# KiCad board 8b-alu-slice.kicad_pcb (continued)
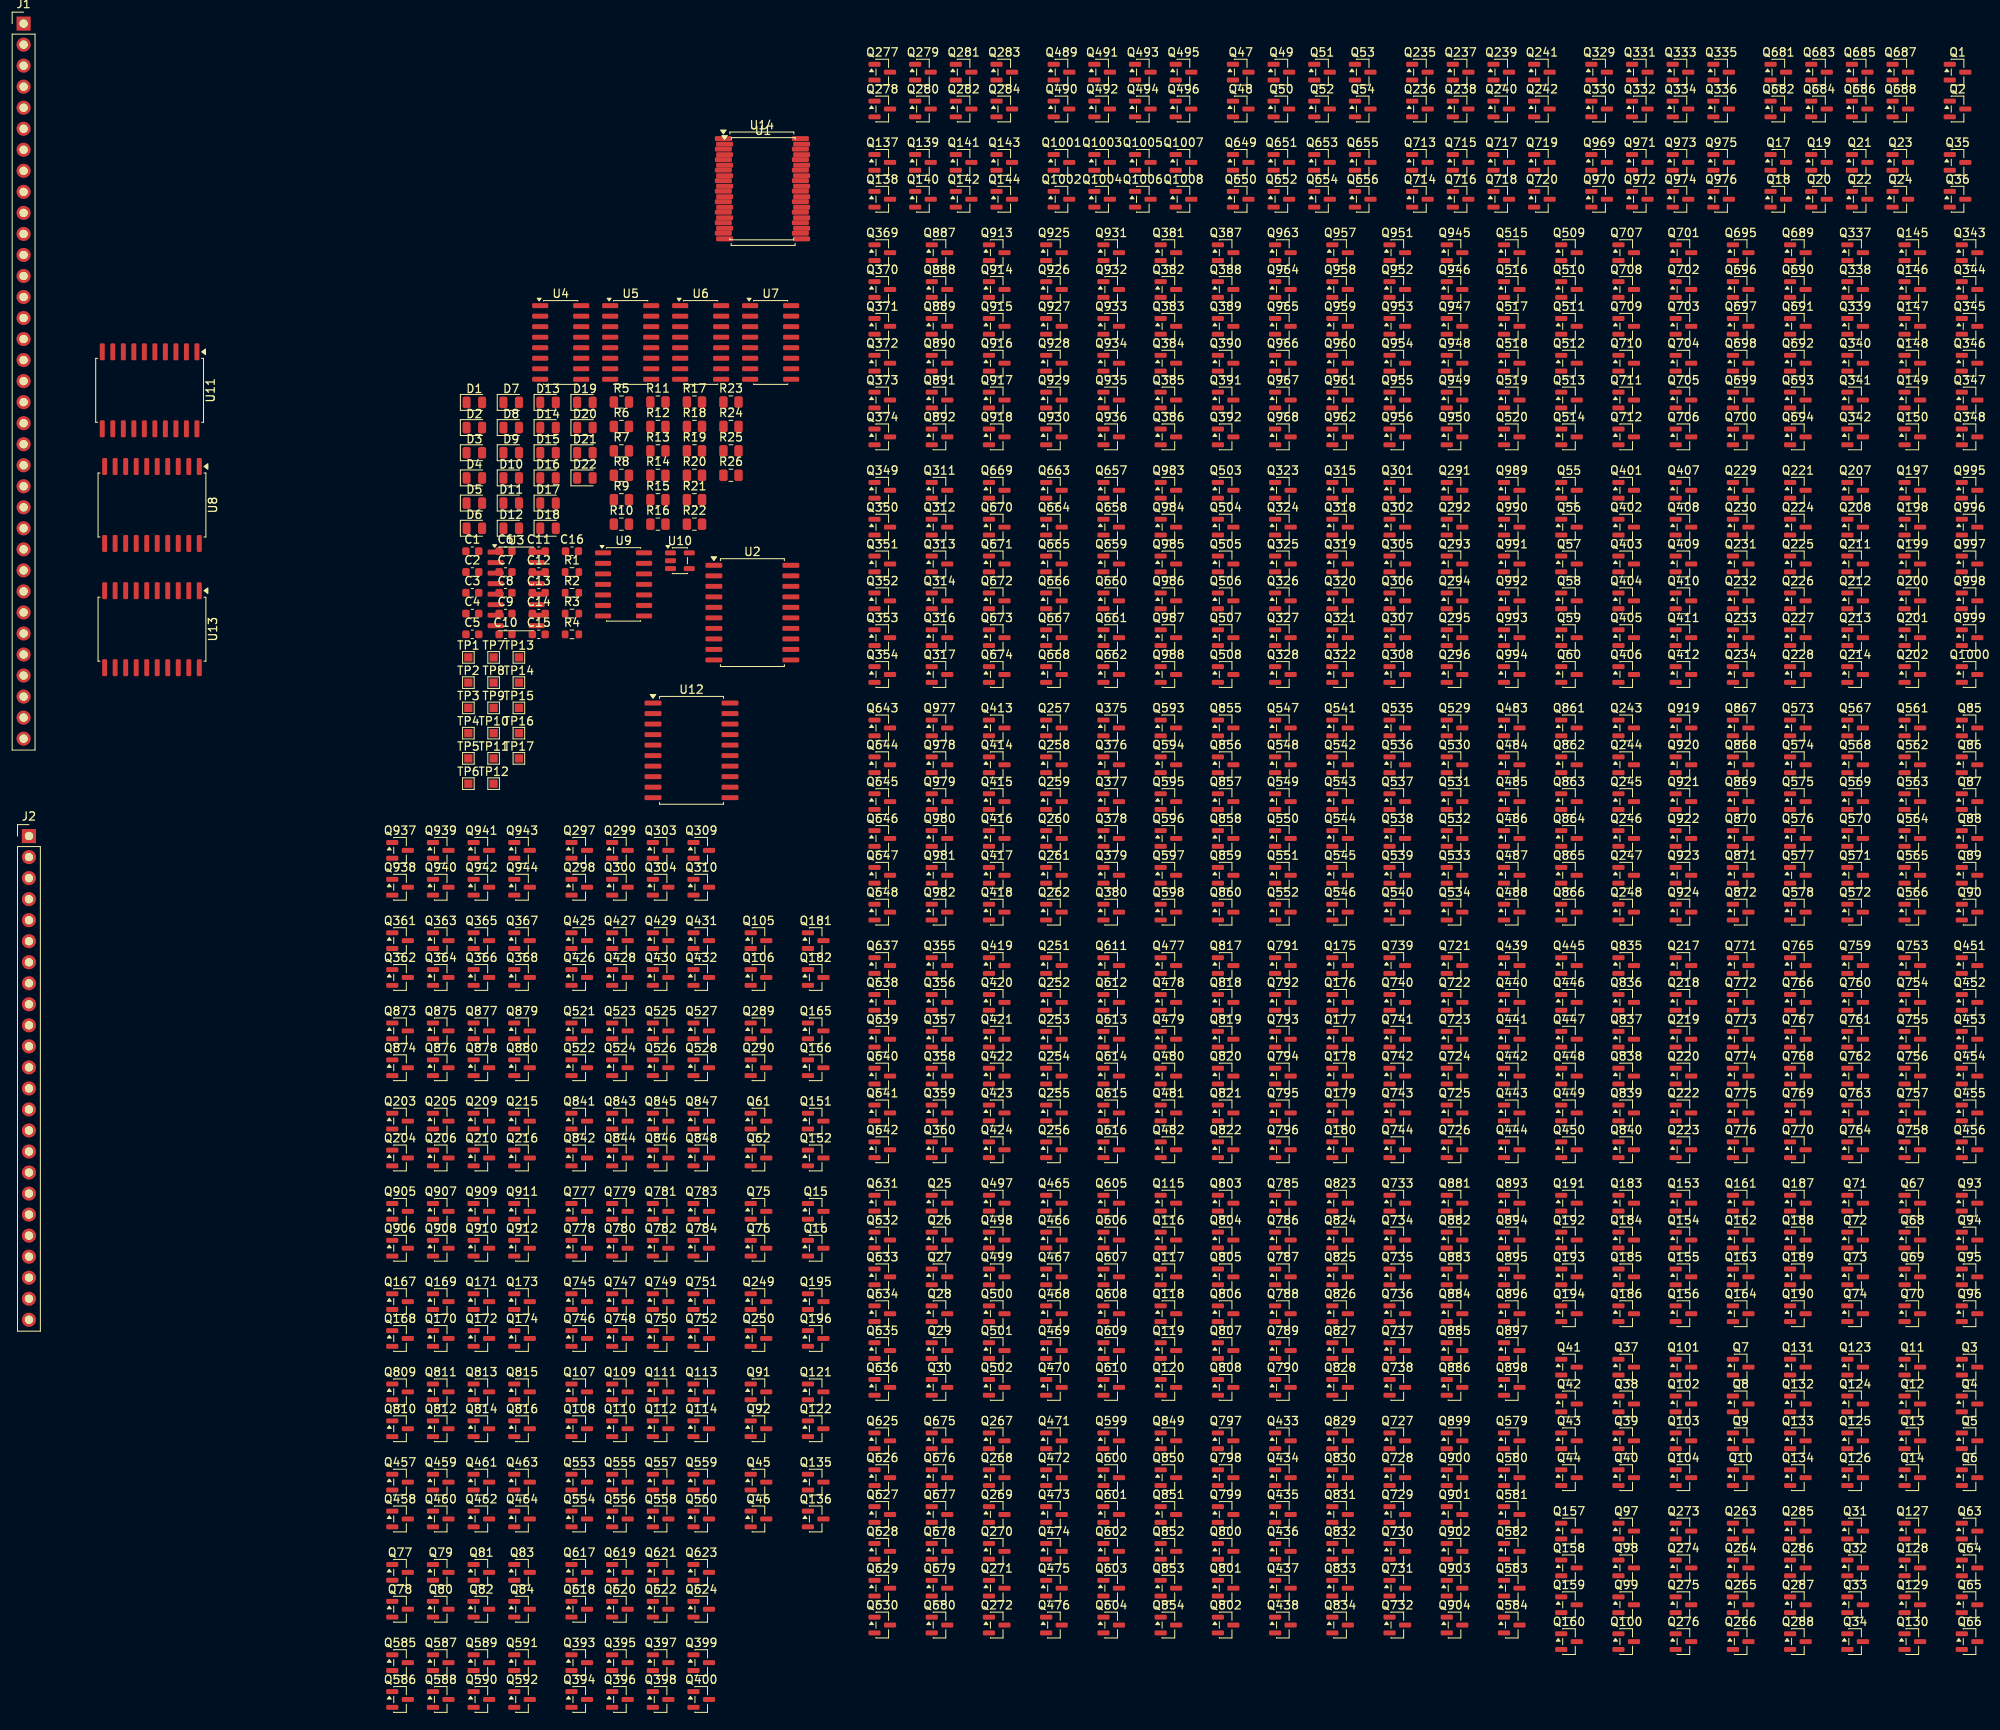
[diagram p0: board, top side]
## Library data of the parts (continued)
Q1 Q3 Q5 Q7 Q9 Q11 Q13 Q15 Q17 Q19 Q23 Q25 Q26 Q29 Q31 Q33 Q35 Q37 Q39 Q41 Q43 Q45 Q47 Q49 Q53 Q55 Q56 Q59 Q61 Q63 Q65 Q67 Q69 Q71 Q73 Q75 Q77 Q79 Q83 Q85 Q86 Q89 Q91 Q93 Q95 Q97 Q99 Q101 Q103 Q105 Q107 Q109 Q113 Q115 Q116 Q119 Q121 Q123 Q125 Q127 Q129 Q131 Q133 Q135 Q137 Q139 Q143 Q145 Q146 Q149 Q151 Q153 Q155 Q157 Q159 Q161 Q163 Q165 Q167 Q169 Q173 Q175 Q176 Q179 Q181 Q183 Q185 Q187 Q189 Q191 Q193 Q195 Q197 Q198 Q202 Q203 Q205 Q207 Q208 Q214 Q215 Q217 Q218 Q221 Q222 Q224 Q228-Q230 Q234-Q238 Q243 Q244 Q248 Q249 Q251 Q252 Q256-Q258 Q262 Q263 Q265 Q267 Q268 Q272 Q273 Q275 Q277-Q280 Q285 Q287 Q289 Q291 Q292 Q296 Q297 Q299 Q301 Q302 Q308 Q309 Q311 Q312 Q315 Q316 Q318 Q322-Q324 Q328-Q332 Q337 Q338 Q342-Q344 Q348-Q350 Q354-Q356 Q360-Q364 Q369 Q370 Q374-Q376 Q380-Q382 Q386-Q388 Q392-Q396 Q401 Q402 Q406-Q408 Q412-Q414 Q418-Q420 Q424-Q428 Q433 Q434 Q438-Q440 Q444-Q446 Q450-Q452 Q456-Q460 Q465 Q466 Q470-Q472 Q476-Q478 Q482-Q484 Q488-Q492 Q497 Q498 Q502-Q504 Q508-Q510 Q514-Q516 Q520-Q524 Q529 Q530 Q534-Q536 Q540-Q542 Q546-Q548 Q552-Q556 Q561 Q562 Q566-Q568 Q572-Q574 Q578-Q580 Q584-Q588 Q593 Q594 Q598-Q600 Q604-Q606 Q610-Q612 Q616-Q620 Q625 Q626 Q630-Q632 Q636-Q638 Q642-Q644 Q648-Q652 Q657 Q658 Q662-Q664 Q668-Q670 Q674-Q676 Q680-Q684 Q689 Q690 Q694-Q696 Q700-Q702 Q706-Q708 Q712-Q716 Q721 Q722 Q726-Q728 Q732-Q734 Q738-Q740 Q744-Q748 Q753 Q754 Q758-Q760 Q764-Q766 Q770-Q772 Q776-Q780 Q785 Q786 Q790-Q792 Q796-Q798 Q802-Q804 Q808-Q812 Q817 Q818 Q822-Q824 Q828-Q830 Q834-Q836 Q840-Q844 Q849 Q850 Q854-Q856 Q860-Q862 Q866-Q868 Q872-Q876 Q881 Q882 Q886-Q888 Q892-Q894 Q898-Q900 Q904-Q908 Q913 Q914 Q918-Q920 Q924-Q926 Q930-Q932 Q936-Q940 Q945 Q946 Q950-Q952 Q956-Q958 Q962-Q964 Q968-Q972 Q977 Q978 Q982-Q984 Q988-Q990 Q994-Q996 Q1000-Q1004 = -: Description: P-MOSFET transistor; KiLib_Generator: package/gullwing
Q2 Q4 Q6 Q8 Q10 Q12 Q14 Q16 Q18 Q20-Q22 Q24 Q27 Q28 Q30 Q32 Q34 Q36 Q38 Q40 Q42 Q44 Q46 Q48 Q50-Q52 Q54 Q57 Q58 Q60 Q62 Q64 Q66 Q68 Q70 Q72 Q74 Q76 Q78 Q80-Q82 Q84 Q87 Q88 Q90 Q92 Q94 Q96 Q98 Q100 Q102 Q104 Q106 Q108 Q110-Q112 Q114 Q117 Q118 Q120 Q122 Q124 Q126 Q128 Q130 Q132 Q134 Q136 Q138 Q140-Q142 Q144 Q147 Q148 Q150 Q152 Q154 Q156 Q158 Q160 Q162 Q164 Q166 Q168 Q170-Q172 Q174 Q177 Q178 Q180 Q182 Q184 Q186 Q188 Q190 Q192 Q194 Q196 Q199-Q201 Q204 Q206 Q209-Q213 Q216 Q219 Q220 Q223 Q225-Q227 Q231-Q233 Q239-Q242 Q245-Q247 Q250 Q253-Q255 Q259-Q261 Q264 Q266 Q269-Q271 Q274 Q276 Q281-Q284 Q286 Q288 Q290 Q293-Q295 Q298 Q300 Q303-Q307 Q310 Q313 Q314 Q317 Q319-Q321 Q325-Q327 Q333-Q336 Q339-Q341 Q345-Q347 Q351-Q353 Q357-Q359 Q365-Q368 Q371-Q373 Q377-Q379 Q383-Q385 Q389-Q391 Q397-Q400 Q403-Q405 Q409-Q411 Q415-Q417 Q421-Q423 Q429-Q432 Q435-Q437 Q441-Q443 Q447-Q449 Q453-Q455 Q461-Q464 Q467-Q469 Q473-Q475 Q479-Q481 Q485-Q487 Q493-Q496 Q499-Q501 Q505-Q507 Q511-Q513 Q517-Q519 Q525-Q528 Q531-Q533 Q537-Q539 Q543-Q545 Q549-Q551 Q557-Q560 Q563-Q565 Q569-Q571 Q575-Q577 Q581-Q583 Q589-Q592 Q595-Q597 Q601-Q603 Q607-Q609 Q613-Q615 Q621-Q624 Q627-Q629 Q633-Q635 Q639-Q641 Q645-Q647 Q653-Q656 Q659-Q661 Q665-Q667 Q671-Q673 Q677-Q679 Q685-Q688 Q691-Q693 Q697-Q699 Q703-Q705 Q709-Q711 Q717-Q720 Q723-Q725 Q729-Q731 Q735-Q737 Q741-Q743 Q749-Q752 Q755-Q757 Q761-Q763 Q767-Q769 Q773-Q775 Q781-Q784 Q787-Q789 Q793-Q795 Q799-Q801 Q805-Q807 Q813-Q816 Q819-Q821 Q825-Q827 Q831-Q833 Q837-Q839 Q845-Q848 Q851-Q853 Q857-Q859 Q863-Q865 Q869-Q871 Q877-Q880 Q883-Q885 Q889-Q891 Q895-Q897 Q901-Q903 Q909-Q912 Q915-Q917 Q921-Q923 Q927-Q929 Q933-Q935 Q941-Q944 Q947-Q949 Q953-Q955 Q959-Q961 Q965-Q967 Q973-Q976 Q979-Q981 Q985-Q987 Q991-Q993 Q997-Q999 Q1005-Q1008 = -: Description: N-MOSFET transistor; KiLib_Generator: package/gullwing
R1-R26 = -: Description: Resistor; KiLib_Generator: SMD_2terminal_chip_molded; ki_fp_filters: R_*
TP1-TP17 = -: Description: test point; ki_fp_filters: Pin* Test*
U1 U2 = -: Datasheet: http://www.ti.com/lit/gpn/sn74LS540; Description: 8-bit Buffer/Line driver Inverter, 3-state outputs; KiLib_Generator: package/gullwing; ki_fp_filters: DIP?20*
U3-U5 = -: Datasheet: http://www.ti.com/lit/gpn/sn74LS182; Description: Carry generator; KiLib_Generator: package/gullwing; ki_fp_filters: DIP?16*
U6 U7 = -: Datasheet: http://www.ti.com/lit/gpn/sn74LS157; Description: Quad 2 to 1 line Multiplexer; KiLib_Generator: package/gullwing; ki_fp_filters: DIP?16*
U8 U11-U14 = -: Datasheet: http://www.ti.com/lit/ds/symlink/sn74ls244.pdf; Description: Octal Buffer and Line Driver With 3-State Output, active-low enables, non-inverting outputs; KiLib_Generator: package/gullwing; ki_fp_filters: DIP?20*
U9 = -: Datasheet: https://www.ti.com/lit/ds/symlink/cd4078b.pdf; Description: 8-input OR/NOR gate; KiLib_Generator: package/gullwing; ki_fp_filters: *DIP*W7.62mm* TSSOP*4.4x5mm* SOIC*3.9x8.7mm*
U10 = -: Datasheet: http://www.ti.com/lit/sg/scyt129e/scyt129e.pdf; Description: Single XOR Gate, Low-Voltage CMOS; KiLib_Generator: package/gullwing; ki_fp_filters: SOT* SG-*

## Footprints (pads in the part's own frame, mm; a bottom-side part is the same pattern mirrored in y, then rotated)
C_0603_1608Metric
  rrect 0.9x0.95 smd: 1(-0.775,0) 2(0.775,0)
LED_0805_2012Metric
  rrect 0.975x1.4 smd: 1(-0.938,0) 2(0.938,0)
PinHeader_1x24_P2.54mm_Vertical
  rect 1.7x1.7 hole 1: 1(0,0)
  round 1.7 hole 1: 2(0,-2.54) 3(0,-5.08) 4(0,-7.62) 5(0,-10.16) 6(0,-12.7) 7(0,-15.24) 8(0,-17.78) 9(0,-20.32) 10(0,-22.86) 11(0,-25.4) 12(0,-27.94) 13(0,-30.48) 14(0,-33.02) 15(0,-35.56) 16(0,-38.1) 17(0,-40.64) 18(0,-43.18) 19(0,-45.72) 20(0,-48.26) 21(0,-50.8) 22(0,-53.34) 23(0,-55.88) 24(0,-58.42)
PinHeader_1x35_P2.54mm_Vertical
  rect 1.7x1.7 hole 1: 1(0,0)
  round 1.7 hole 1: 2(0,-2.54) 3(0,-5.08) 4(0,-7.62) 5(0,-10.16) 6(0,-12.7) 7(0,-15.24) 8(0,-17.78) 9(0,-20.32) 10(0,-22.86) 11(0,-25.4) 12(0,-27.94) 13(0,-30.48) 14(0,-33.02) 15(0,-35.56) 16(0,-38.1) 17(0,-40.64) 18(0,-43.18) 19(0,-45.72) 20(0,-48.26) 21(0,-50.8) 22(0,-53.34) 23(0,-55.88) 24(0,-58.42) 25(0,-60.96) 26(0,-63.5) 27(0,-66.04) 28(0,-68.58) 29(0,-71.12) 30(0,-73.66) 31(0,-76.2) 32(0,-78.74) 33(0,-81.28) 34(0,-83.82) 35(0,-86.36)
R_0603_1608Metric
  rrect 0.8x0.95 smd: 1(-0.825,0) 2(0.825,0)
R_0805_2012Metric
  rrect 1.025x1.4 smd: 1(-0.912,0) 2(0.912,0)
SOIC-14_3.9x8.7mm_P1.27mm
  rrect 1.95x0.6 smd: 1(-2.475,3.81) 2(-2.475,2.54) 3(-2.475,1.27) 4(-2.475,0) 5(-2.475,-1.27) 6(-2.475,-2.54) 7(-2.475,-3.81) 8(2.475,-3.81) 9(2.475,-2.54) 10(2.475,-1.27) 11(2.475,0) 12(2.475,1.27) 13(2.475,2.54) 14(2.475,3.81)
SOIC-16_3.9x9.9mm_P1.27mm
  rrect 1.95x0.6 smd: 1(-2.475,4.445) 2(-2.475,3.175) 3(-2.475,1.905) 4(-2.475,0.635) 5(-2.475,-0.635) 6(-2.475,-1.905) 7(-2.475,-3.175) 8(-2.475,-4.445) 9(2.475,-4.445) 10(2.475,-3.175) 11(2.475,-1.905) 12(2.475,-0.635) 13(2.475,0.635) 14(2.475,1.905) 15(2.475,3.175) 16(2.475,4.445)
SOIC-20W_7.5x12.8mm_P1.27mm
  rrect 2.05x0.6 smd: 1(-4.65,5.715) 2(-4.65,4.445) 3(-4.65,3.175) 4(-4.65,1.905) 5(-4.65,0.635) 6(-4.65,-0.635) 7(-4.65,-1.905) 8(-4.65,-3.175) 9(-4.65,-4.445) 10(-4.65,-5.715) 11(4.65,-5.715) 12(4.65,-4.445) 13(4.65,-3.175) 14(4.65,-1.905) 15(4.65,-0.635) 16(4.65,0.635) 17(4.65,1.905) 18(4.65,3.175) 19(4.65,4.445) 20(4.65,5.715)
SOT-23
  rrect 1.475x0.6 smd: 1(-0.938,0.95) 2(-0.938,-0.95) 3(0.938,0)
SOT-23-5
  rrect 1.325x0.6 smd: 1(-1.137,0.95) 2(-1.137,0) 3(-1.137,-0.95) 4(1.137,-0.95) 5(1.137,0.95)
TestPoint_Pad_1.0x1.0mm
  rect 1x1 smd: 1(0,0)

## Nets
GND: C1.2 C2.2 C3.2 C4.2 C5.2 C6.1 C7.1 C8.2 C9.2 C10.1 C11.1 C12.2 C13.1 C14.1 C15.1 C16.1 D1.1 D2.1 D3.1 D4.1 D5.1 D6.1 D7.1 D8.1 D9.1 D10.1 D11.1 D12.1 D13.1 D14.1 D15.1 D16.1 D17.1 D18.1 D19.1 D20.1 D21.1 D22.1 J1.1 J1.3 J1.8 J1.13 J1.18 J1.23 J1.29 J1.35 J2.1 J2.3 J2.8 J2.13 J2.19 J2.20 J2.21 J2.22 J2.23 J2.24 Q2.2 Q4.2 Q6.2 Q8.2 Q10.2 Q12.2 Q14.2 Q16.2 Q18.2 Q20.2 Q24.2 Q28.2 Q30.2 Q32.2 Q34.2 Q36.2 Q38.2 Q40.2 Q42.2 Q44.2 Q46.2 Q48.2 Q50.2 Q54.2 Q58.2 Q60.2 Q62.2 Q64.2 Q66.2 Q68.2 Q70.2 Q72.2 Q74.2 Q76.2 Q78.2 Q80.2 Q84.2 Q88.2 Q90.2 Q92.2 Q94.2 Q96.2 Q98.2 Q100.2 Q102.2 Q104.2 Q106.2 Q108.2 Q110.2 Q114.2 Q118.2 Q120.2 Q122.2 Q124.2 Q126.2 Q128.2 Q130.2 Q132.2 Q134.2 Q136.2 Q138.2 Q140.2 Q144.2 Q148.2 Q150.2 Q152.2 Q154.2 Q156.2 Q158.2 Q160.2 Q162.2 Q164.2 Q166.2 Q168.2 Q170.2 Q174.2 Q178.2 Q180.2 Q182.2 Q184.2 Q186.2 Q188.2 Q190.2 Q192.2 Q194.2 Q196.2 Q201.2 Q204.2 Q206.2 Q213.2 Q216.2 Q220.2 Q221.1 Q223.2 Q227.1 Q227.2 Q233.2 Q242.2 Q247.2 Q250.2 Q255.2 Q261.2 Q264.2 Q266.2 Q271.2 Q274.2 Q276.2 Q284.2 Q286.2 Q288.2 Q290.2 Q295.2 Q298.2 Q300.2 Q307.2 Q310.2 Q314.2 Q315.1 Q317.2 Q321.1 Q321.2 Q327.2 Q336.2 Q341.2 Q347.2 Q349.1 Q353.1 Q353.2 Q359.2 Q368.2 Q373.2 Q379.2 Q385.2 Q391.2 Q400.2 Q405.2 Q411.2 Q413.1 Q417.1 Q417.2 Q423.2 Q432.2 Q437.2 Q443.2 Q445.1 Q449.1 Q449.2 Q455.2 Q464.2 Q469.2 Q475.2 Q481.2 Q487.2 Q496.2 Q501.2 Q507.2 Q509.1 Q513.1 Q513.2 Q519.2 Q528.2 Q533.2 Q539.2 Q541.1 Q545.1 Q545.2 Q551.2 Q560.2 Q565.2 Q571.2 Q577.2 Q583.2 Q592.2 Q597.2 Q603.2 Q605.1 Q609.1 Q609.2 Q615.2 Q624.2 Q629.2 Q635.2 Q637.1 Q641.1 Q641.2 Q647.2 Q656.2 Q661.2 Q667.2 Q673.2 Q679.2 Q688.2 Q693.2 Q699.2 Q701.1 Q705.1 Q705.2 Q711.2 Q720.2 Q725.2 Q731.2 Q733.1 Q737.1 Q737.2 Q743.2 Q752.2 Q757.2 Q763.2 Q769.2 Q775.2 Q784.2 Q789.2 Q795.2 Q797.1 Q801.1 Q801.2 Q807.2 Q816.2 Q821.2 Q827.2 Q829.1 Q833.1 Q833.2 Q839.2 Q848.2 Q853.2 Q859.2 Q865.2 Q871.2 Q880.2 Q885.2 Q891.2 Q893.1 Q897.1 Q897.2 Q903.2 Q912.2 Q917.2 Q923.2 Q925.1 Q929.1 Q929.2 Q935.2 Q944.2 Q949.2 Q955.2 Q961.2 Q967.2 Q976.2 Q981.2 Q987.2 Q989.1 Q993.1 Q993.2 Q999.2 Q1008.2 U1.1 U1.10 U1.19 U2.1 U2.10 U2.19 U3.8 U4.8 U5.8 U6.8 U6.15 U7.8 U7.15 U8.1 U8.10 U8.19 U9.7 U10.3 U11.1 U11.10 U11.19 U12.1 U12.10 U12.19 U13.1 U13.10 U13.19 U14.1 U14.10 U14.19
VCC: C1.1 C2.1 C3.1 C4.1 C5.1 C6.2 C7.2 C8.1 C9.1 C10.2 C11.2 C12.1 C13.2 C14.2 C15.2 C16.2 J1.2 J2.2 Q1.2 Q3.2 Q5.2 Q7.2 Q9.2 Q11.2 Q13.2 Q15.2 Q17.2 Q19.2 Q23.2 Q25.2 Q26.2 Q29.2 Q31.2 Q33.2 Q35.2 Q37.2 Q39.2 Q41.2 Q43.2 Q45.2 Q47.2 Q49.2 Q53.2 Q55.2 Q56.2 Q59.2 Q61.2 Q63.2 Q65.2 Q67.2 Q69.2 Q71.2 Q73.2 Q75.2 Q77.2 Q79.2 Q83.2 Q85.2 Q86.2 Q89.2 Q91.2 Q93.2 Q95.2 Q97.2 Q99.2 Q101.2 Q103.2 Q105.2 Q107.2 Q109.2 Q113.2 Q115.2 Q116.2 Q119.2 Q121.2 Q123.2 Q125.2 Q127.2 Q129.2 Q131.2 Q133.2 Q135.2 Q137.2 Q139.2 Q143.2 Q145.2 Q146.2 Q149.2 Q151.2 Q153.2 Q155.2 Q157.2 Q159.2 Q161.2 Q163.2 Q165.2 Q167.2 Q169.2 Q173.2 Q175.2 Q176.2 Q179.2 Q181.2 Q183.2 Q185.2 Q187.2 Q189.2 Q191.2 Q193.2 Q195.2 Q197.1 Q197.2 Q198.2 Q201.1 Q202.2 Q203.2 Q205.2 Q207.2 Q208.2 Q214.2 Q215.2 Q217.2 Q218.2 Q221.2 Q222.2 Q224.2 Q228.2 Q229.2 Q230.2 Q234.2 Q235.2 Q236.2 Q237.2 Q238.2 Q243.2 Q244.2 Q248.2 Q249.2 Q251.2 Q252.2 Q256.2 Q257.2 Q258.2 Q262.2 Q263.2 Q265.2 Q267.2 Q268.2 Q272.2 Q273.2 Q275.2 Q277.2 Q278.2 Q279.2 Q280.2 Q285.2 Q287.2 Q289.2 Q291.1 Q291.2 Q292.2 Q295.1 Q296.2 Q297.2 Q299.2 Q301.2 Q302.2 Q308.2 Q309.2 Q311.2 Q312.2 Q315.2 Q316.2 Q318.2 Q322.2 Q323.2 Q324.2 Q328.2 Q329.2 Q330.2 Q331.2 Q332.2 Q337.1 Q337.2 Q338.2 Q341.1 Q342.2 Q343.2 Q344.2 Q348.2 Q349.2 Q350.2 Q354.2 Q355.2 Q356.2 Q360.2 Q361.2 Q362.2 Q363.2 Q364.2 Q369.2 Q370.2 Q374.2 Q375.2 Q376.2 Q380.2 Q381.2 Q382.2 Q386.2 Q387.2 Q388.2 Q392.2 Q393.2 Q394.2 Q395.2 Q396.2 Q401.1 Q401.2 Q402.2 Q405.1 Q406.2 Q407.2 Q408.2 Q412.2 Q413.2 Q414.2 Q418.2 Q419.2 Q420.2 Q424.2 Q425.2 Q426.2 Q427.2 Q428.2 Q433.1 Q433.2 Q434.2 Q437.1 Q438.2 Q439.2 Q440.2 Q444.2 Q445.2 Q446.2 Q450.2 Q451.2 Q452.2 Q456.2 Q457.2 Q458.2 Q459.2 Q460.2 Q465.2 Q466.2 Q470.2 Q471.2 Q472.2 Q476.2 Q477.2 Q478.2 Q482.2 Q483.2 Q484.2 Q488.2 Q489.2 Q490.2 Q491.2 Q492.2 Q497.1 Q497.2 Q498.2 Q501.1 Q502.2 Q503.2 Q504.2 Q508.2 Q509.2 Q510.2 Q514.2 Q515.2 Q516.2 Q520.2 Q521.2 Q522.2 Q523.2 Q524.2 Q529.1 Q529.2 Q530.2 Q533.1 Q534.2 Q535.2 Q536.2 Q540.2 Q541.2 Q542.2 Q546.2 Q547.2 Q548.2 Q552.2 Q553.2 Q554.2 Q555.2 Q556.2 Q561.2 Q562.2 Q566.2 Q567.2 Q568.2 Q572.2 Q573.2 Q574.2 Q578.2 Q579.2 Q580.2 Q584.2 Q585.2 Q586.2 Q587.2 Q588.2 Q593.1 Q593.2 Q594.2 Q597.1 Q598.2 Q599.2 Q600.2 Q604.2 Q605.2 Q606.2 Q610.2 Q611.2 Q612.2 Q616.2 Q617.2 Q618.2 Q619.2 Q620.2 Q625.1 Q625.2 Q626.2 Q629.1 Q630.2 Q631.2 Q632.2 Q636.2 Q637.2 Q638.2 Q642.2 Q643.2 Q644.2 Q648.2 Q649.2 Q650.2 Q651.2 Q652.2 Q657.2 Q658.2 Q662.2 Q663.2 Q664.2 Q668.2 Q669.2 Q670.2 Q674.2 Q675.2 Q676.2 Q680.2 Q681.2 Q682.2 Q683.2 Q684.2 Q689.1 Q689.2 Q690.2 Q693.1 Q694.2 Q695.2 Q696.2 Q700.2 Q701.2 Q702.2 Q706.2 Q707.2 Q708.2 Q712.2 Q713.2 Q714.2 Q715.2 Q716.2 Q721.1 Q721.2 Q722.2 Q725.1 Q726.2 Q727.2 Q728.2 Q732.2 Q733.2 Q734.2 Q738.2 Q739.2 Q740.2 Q744.2 Q745.2 Q746.2 Q747.2 Q748.2 Q753.2 Q754.2 Q758.2 Q759.2 Q760.2 Q764.2 Q765.2 Q766.2 Q770.2 Q771.2 Q772.2 Q776.2 Q777.2 Q778.2 Q779.2 Q780.2 Q785.1 Q785.2 Q786.2 Q789.1 Q790.2 Q791.2 Q792.2 Q796.2 Q797.2 Q798.2 Q802.2 Q803.2 Q804.2 Q808.2 Q809.2 Q810.2 Q811.2 Q812.2 Q817.1 Q817.2 Q818.2 Q821.1 Q822.2 Q823.2 Q824.2 Q828.2 Q829.2 Q830.2 Q834.2 Q835.2 Q836.2 Q840.2 Q841.2 Q842.2 Q843.2 Q844.2 Q849.2 Q850.2 Q854.2 Q855.2 Q856.2 Q860.2 Q861.2 Q862.2 Q866.2 Q867.2 Q868.2 Q872.2 Q873.2 Q874.2 Q875.2 Q876.2 Q881.1 Q881.2 Q882.2 Q885.1 Q886.2 Q887.2 Q888.2 Q892.2 Q893.2 Q894.2 Q898.2 Q899.2 Q900.2 Q904.2 Q905.2 Q906.2 Q907.2 Q908.2 Q913.1 Q913.2 Q914.2 Q917.1 Q918.2 Q919.2 Q920.2 Q924.2 Q925.2 Q926.2 Q930.2 Q931.2 Q932.2 Q936.2 Q937.2 Q938.2 Q939.2 Q940.2 Q945.2 Q946.2 Q950.2 Q951.2 Q952.2 Q956.2 Q957.2 Q958.2 Q962.2 Q963.2 Q964.2 Q968.2 Q969.2 Q970.2 Q971.2 Q972.2 Q977.1 Q977.2 Q978.2 Q981.1 Q982.2 Q983.2 Q984.2 Q988.2 Q989.2 Q990.2 Q994.2 Q995.2 Q996.2 Q1000.2 Q1001.2 Q1002.2 Q1003.2 Q1004.2 R1.2 R2.2 R3.2 R4.2 U1.20 U2.20 U3.16 U4.16 U5.16 U6.16 U7.16 U8.20 U9.14 U10.5 U11.20 U12.20 U13.20 U14.20
/1b_alu_slice_1/inv1/Y: Q35.3 Q36.3 Q207.1 Q213.1
/1b_alu_slice_1/inv2/Y: Q45.3 Q46.3 Q301.1 Q307.1
/1b_alu_slice_1/mux_4to1_1/3nand1/Y: Q267.3 Q268.3 Q269.3 Q272.3 Q277.1 Q284.1
/1b_alu_slice_1/mux_4to1_1/3nand2/Y: Q251.3 Q252.3 Q253.3 Q256.3 Q278.1 Q283.1
/1b_alu_slice_1/mux_4to1_1/3nand3/Y: Q243.3 Q244.3 Q245.3 Q248.3 Q279.1 Q282.1
/1b_alu_slice_1/mux_4to1_1/3nand4/Y: Q257.3 Q258.3 Q259.3 Q262.3 Q280.1 Q281.1
/1b_alu_slice_1/mux_4to1_1/C0: Q37.1 Q38.1 Q56.1 Q57.1 Q235.3 Q236.3 Q237.3 Q238.3 Q239.3 Q245.1 Q248.1 Q259.1 Q262.1
/1b_alu_slice_1/mux_4to1_1/C0_B: Q37.3 Q38.3 Q253.1 Q256.1 Q269.1 Q272.1
/1b_alu_slice_1/mux_4to1_1/C1: Q39.1 Q40.1 Q55.1 Q58.1 Q252.1 Q254.1 Q258.1 Q260.1 Q329.3 Q330.3 Q331.3 Q332.3 Q333.3
/1b_alu_slice_1/mux_4to1_1/C1_B: Q39.3 Q40.3 Q244.1 Q246.1 Q268.1 Q270.1
/1b_alu_slice_1/mux_4to1_2/3nand1/Y: Q229.3 Q230.3 Q231.3 Q234.3 Q235.1 Q242.1
/1b_alu_slice_1/mux_4to1_2/3nand2/Y: Q207.3 Q208.3 Q211.3 Q214.3 Q236.1 Q241.1
/1b_alu_slice_1/mux_4to1_2/3nand3/Y: Q197.3 Q198.3 Q199.3 Q202.3 Q237.1 Q240.1
/1b_alu_slice_1/mux_4to1_2/3nand4/Y: Q221.3 Q224.3 Q225.3 Q228.3 Q238.1 Q239.1
/1b_alu_slice_1/mux_4to1_2/C0_B: Q31.3 Q32.3 Q211.1 Q214.1 Q231.1 Q234.1
/1b_alu_slice_1/mux_4to1_2/C1_B: Q33.3 Q34.3 Q198.1 Q200.1 Q230.1 Q232.1
/1b_alu_slice_1/mux_4to1_3/3nand1/Y: Q323.3 Q324.3 Q325.3 Q328.3 Q329.1 Q336.1
/1b_alu_slice_1/mux_4to1_3/3nand2/Y: Q301.3 Q302.3 Q305.3 Q308.3 Q330.1 Q335.1
/1b_alu_slice_1/mux_4to1_3/3nand3/Y: Q291.3 Q292.3 Q293.3 Q296.3 Q331.1 Q334.1
/1b_alu_slice_1/mux_4to1_3/3nand4/Y: Q315.3 Q318.3 Q319.3 Q322.3 Q332.1 Q333.1
/1b_alu_slice_1/mux_4to1_3/C0_B: Q41.3 Q42.3 Q305.1 Q308.1 Q325.1 Q328.1
/1b_alu_slice_1/mux_4to1_3/C1_B: Q43.3 Q44.3 Q292.1 Q294.1 Q324.1 Q326.1
/1b_alu_slice_2/inv1/Y: Q1.3 Q2.3 Q343.1 Q347.1
/1b_alu_slice_2/inv2/Y: Q15.3 Q16.3 Q407.1 Q411.1
/1b_alu_slice_2/mux_4to1_1/3nand1/Y: Q387.3 Q388.3 Q389.3 Q392.3 Q393.1 Q400.1
/1b_alu_slice_2/mux_4to1_1/3nand2/Y: Q375.3 Q376.3 Q377.3 Q380.3 Q394.1 Q399.1
/1b_alu_slice_2/mux_4to1_1/3nand3/Y: Q369.3 Q370.3 Q371.3 Q374.3 Q395.1 Q398.1
/1b_alu_slice_2/mux_4to1_1/3nand4/Y: Q381.3 Q382.3 Q383.3 Q386.3 Q396.1 Q397.1
/1b_alu_slice_2/mux_4to1_1/C0: Q7.1 Q8.1 Q26.1 Q27.1 Q361.3 Q362.3 Q363.3 Q364.3 Q365.3 Q371.1 Q374.1 Q383.1 Q386.1
/1b_alu_slice_2/mux_4to1_1/C0_B: Q7.3 Q8.3 Q377.1 Q380.1 Q389.1 Q392.1
/1b_alu_slice_2/mux_4to1_1/C1: Q9.1 Q10.1 Q25.1 Q28.1 Q376.1 Q378.1 Q382.1 Q384.1 Q425.3 Q426.3 Q427.3 Q428.3 Q429.3
/1b_alu_slice_2/mux_4to1_1/C1_B: Q9.3 Q10.3 Q370.1 Q372.1 Q388.1 Q390.1
/1b_alu_slice_2/mux_4to1_2/3nand1/Y: Q355.3 Q356.3 Q357.3 Q360.3 Q361.1 Q368.1
/1b_alu_slice_2/mux_4to1_2/3nand2/Y: Q343.3 Q344.3 Q345.3 Q348.3 Q362.1 Q367.1
/1b_alu_slice_2/mux_4to1_2/3nand3/Y: Q337.3 Q338.3 Q339.3 Q342.3 Q363.1 Q366.1
/1b_alu_slice_2/mux_4to1_2/3nand4/Y: Q349.3 Q350.3 Q351.3 Q354.3 Q364.1 Q365.1
/1b_alu_slice_2/mux_4to1_2/C0_B: Q3.3 Q4.3 Q345.1 Q348.1 Q357.1 Q360.1
/1b_alu_slice_2/mux_4to1_2/C1_B: Q5.3 Q6.3 Q338.1 Q340.1 Q356.1 Q358.1
/1b_alu_slice_2/mux_4to1_3/3nand1/Y: Q419.3 Q420.3 Q421.3 Q424.3 Q425.1 Q432.1
/1b_alu_slice_2/mux_4to1_3/3nand2/Y: Q407.3 Q408.3 Q409.3 Q412.3 Q426.1 Q431.1
/1b_alu_slice_2/mux_4to1_3/3nand3/Y: Q401.3 Q402.3 Q403.3 Q406.3 Q427.1 Q430.1
/1b_alu_slice_2/mux_4to1_3/3nand4/Y: Q413.3 Q414.3 Q415.3 Q418.3 Q428.1 Q429.1
/1b_alu_slice_2/mux_4to1_3/C0_B: Q11.3 Q12.3 Q409.1 Q412.1 Q421.1 Q424.1
/1b_alu_slice_2/mux_4to1_3/C1_B: Q13.3 Q14.3 Q402.1 Q404.1 Q420.1 Q422.1
/1b_alu_slice_3/inv1/Y: Q61.3 Q62.3 Q439.1 Q443.1
/1b_alu_slice_3/inv2/Y: Q75.3 Q76.3 Q503.1 Q507.1
/1b_alu_slice_3/mux_4to1_1/3nand1/Y: Q483.3 Q484.3 Q485.3 Q488.3 Q489.1 Q496.1
/1b_alu_slice_3/mux_4to1_1/3nand2/Y: Q471.3 Q472.3 Q473.3 Q476.3 Q490.1 Q495.1
/1b_alu_slice_3/mux_4to1_1/3nand3/Y: Q465.3 Q466.3 Q467.3 Q470.3 Q491.1 Q494.1
/1b_alu_slice_3/mux_4to1_1/3nand4/Y: Q477.3 Q478.3 Q479.3 Q482.3 Q492.1 Q493.1
/1b_alu_slice_3/mux_4to1_1/C0: Q67.1 Q68.1 Q86.1 Q87.1 Q457.3 Q458.3 Q459.3 Q460.3 Q461.3 Q467.1 Q470.1 Q479.1 Q482.1
/1b_alu_slice_3/mux_4to1_1/C0_B: Q67.3 Q68.3 Q473.1 Q476.1 Q485.1 Q488.1
/1b_alu_slice_3/mux_4to1_1/C1: Q69.1 Q70.1 Q85.1 Q88.1 Q472.1 Q474.1 Q478.1 Q480.1 Q521.3 Q522.3 Q523.3 Q524.3 Q525.3
/1b_alu_slice_3/mux_4to1_1/C1_B: Q69.3 Q70.3 Q466.1 Q468.1 Q484.1 Q486.1
/1b_alu_slice_3/mux_4to1_2/3nand1/Y: Q451.3 Q452.3 Q453.3 Q456.3 Q457.1 Q464.1
/1b_alu_slice_3/mux_4to1_2/3nand2/Y: Q439.3 Q440.3 Q441.3 Q444.3 Q458.1 Q463.1
/1b_alu_slice_3/mux_4to1_2/3nand3/Y: Q433.3 Q434.3 Q435.3 Q438.3 Q459.1 Q462.1
/1b_alu_slice_3/mux_4to1_2/3nand4/Y: Q445.3 Q446.3 Q447.3 Q450.3 Q460.1 Q461.1
/1b_alu_slice_3/mux_4to1_2/C0_B: Q63.3 Q64.3 Q441.1 Q444.1 Q453.1 Q456.1
/1b_alu_slice_3/mux_4to1_2/C1_B: Q65.3 Q66.3 Q434.1 Q436.1 Q452.1 Q454.1
/1b_alu_slice_3/mux_4to1_3/3nand1/Y: Q515.3 Q516.3 Q517.3 Q520.3 Q521.1 Q528.1
/1b_alu_slice_3/mux_4to1_3/3nand2/Y: Q503.3 Q504.3 Q505.3 Q508.3 Q522.1 Q527.1
/1b_alu_slice_3/mux_4to1_3/3nand3/Y: Q497.3 Q498.3 Q499.3 Q502.3 Q523.1 Q526.1
/1b_alu_slice_3/mux_4to1_3/3nand4/Y: Q509.3 Q510.3 Q511.3 Q514.3 Q524.1 Q525.1
/1b_alu_slice_3/mux_4to1_3/C0_B: Q71.3 Q72.3 Q505.1 Q508.1 Q517.1 Q520.1
/1b_alu_slice_3/mux_4to1_3/C1_B: Q73.3 Q74.3 Q498.1 Q500.1 Q516.1 Q518.1
/1b_alu_slice_4/inv1/Y: Q91.3 Q92.3 Q535.1 Q539.1
/1b_alu_slice_4/inv2/Y: Q105.3 Q106.3 Q599.1 Q603.1
/1b_alu_slice_4/mux_4to1_1/3nand1/Y: Q579.3 Q580.3 Q581.3 Q584.3 Q585.1 Q592.1
/1b_alu_slice_4/mux_4to1_1/3nand2/Y: Q567.3 Q568.3 Q569.3 Q572.3 Q586.1 Q591.1
/1b_alu_slice_4/mux_4to1_1/3nand3/Y: Q561.3 Q562.3 Q563.3 Q566.3 Q587.1 Q590.1
/1b_alu_slice_4/mux_4to1_1/3nand4/Y: Q573.3 Q574.3 Q575.3 Q578.3 Q588.1 Q589.1
/1b_alu_slice_4/mux_4to1_1/C0: Q97.1 Q98.1 Q116.1 Q117.1 Q553.3 Q554.3 Q555.3 Q556.3 Q557.3 Q563.1 Q566.1 Q575.1 Q578.1
/1b_alu_slice_4/mux_4to1_1/C0_B: Q97.3 Q98.3 Q569.1 Q572.1 Q581.1 Q584.1
/1b_alu_slice_4/mux_4to1_1/C1: Q99.1 Q100.1 Q115.1 Q118.1 Q568.1 Q570.1 Q574.1 Q576.1 Q617.3 Q618.3 Q619.3 Q620.3 Q621.3
/1b_alu_slice_4/mux_4to1_1/C1_B: Q99.3 Q100.3 Q562.1 Q564.1 Q580.1 Q582.1
/1b_alu_slice_4/mux_4to1_2/3nand1/Y: Q547.3 Q548.3 Q549.3 Q552.3 Q553.1 Q560.1
/1b_alu_slice_4/mux_4to1_2/3nand2/Y: Q535.3 Q536.3 Q537.3 Q540.3 Q554.1 Q559.1
/1b_alu_slice_4/mux_4to1_2/3nand3/Y: Q529.3 Q530.3 Q531.3 Q534.3 Q555.1 Q558.1
/1b_alu_slice_4/mux_4to1_2/3nand4/Y: Q541.3 Q542.3 Q543.3 Q546.3 Q556.1 Q557.1
/1b_alu_slice_4/mux_4to1_2/C0_B: Q93.3 Q94.3 Q537.1 Q540.1 Q549.1 Q552.1
/1b_alu_slice_4/mux_4to1_2/C1_B: Q95.3 Q96.3 Q530.1 Q532.1 Q548.1 Q550.1
/1b_alu_slice_4/mux_4to1_3/3nand1/Y: Q611.3 Q612.3 Q613.3 Q616.3 Q617.1 Q624.1
/1b_alu_slice_4/mux_4to1_3/3nand2/Y: Q599.3 Q600.3 Q601.3 Q604.3 Q618.1 Q623.1
/1b_alu_slice_4/mux_4to1_3/3nand3/Y: Q593.3 Q594.3 Q595.3 Q598.3 Q619.1 Q622.1
/1b_alu_slice_4/mux_4to1_3/3nand4/Y: Q605.3 Q606.3 Q607.3 Q610.3 Q620.1 Q621.1
/1b_alu_slice_4/mux_4to1_3/C0_B: Q101.3 Q102.3 Q601.1 Q604.1 Q613.1 Q616.1
/1b_alu_slice_4/mux_4to1_3/C1_B: Q103.3 Q104.3 Q594.1 Q596.1 Q612.1 Q614.1
/1b_alu_slice_5/inv1/Y: Q121.3 Q122.3 Q631.1 Q635.1
/1b_alu_slice_5/inv2/Y: Q135.3 Q136.3 Q695.1 Q699.1
/1b_alu_slice_5/mux_4to1_1/3nand1/Y: Q675.3 Q676.3 Q677.3 Q680.3 Q681.1 Q688.1
/1b_alu_slice_5/mux_4to1_1/3nand2/Y: Q663.3 Q664.3 Q665.3 Q668.3 Q682.1 Q687.1
/1b_alu_slice_5/mux_4to1_1/3nand3/Y: Q657.3 Q658.3 Q659.3 Q662.3 Q683.1 Q686.1
/1b_alu_slice_5/mux_4to1_1/3nand4/Y: Q669.3 Q670.3 Q671.3 Q674.3 Q684.1 Q685.1
/1b_alu_slice_5/mux_4to1_1/C0: Q127.1 Q128.1 Q146.1 Q147.1 Q649.3 Q650.3 Q651.3 Q652.3 Q653.3 Q659.1 Q662.1 Q671.1 Q674.1
/1b_alu_slice_5/mux_4to1_1/C0_B: Q127.3 Q128.3 Q665.1 Q668.1 Q677.1 Q680.1
/1b_alu_slice_5/mux_4to1_1/C1: Q129.1 Q130.1 Q145.1 Q148.1 Q664.1 Q666.1 Q670.1 Q672.1 Q713.3 Q714.3 Q715.3 Q716.3 Q717.3
/1b_alu_slice_5/mux_4to1_1/C1_B: Q129.3 Q130.3 Q658.1 Q660.1 Q676.1 Q678.1